# Altium PCB PCBDesign.PcbDoc (part 5 of 8) (continued)
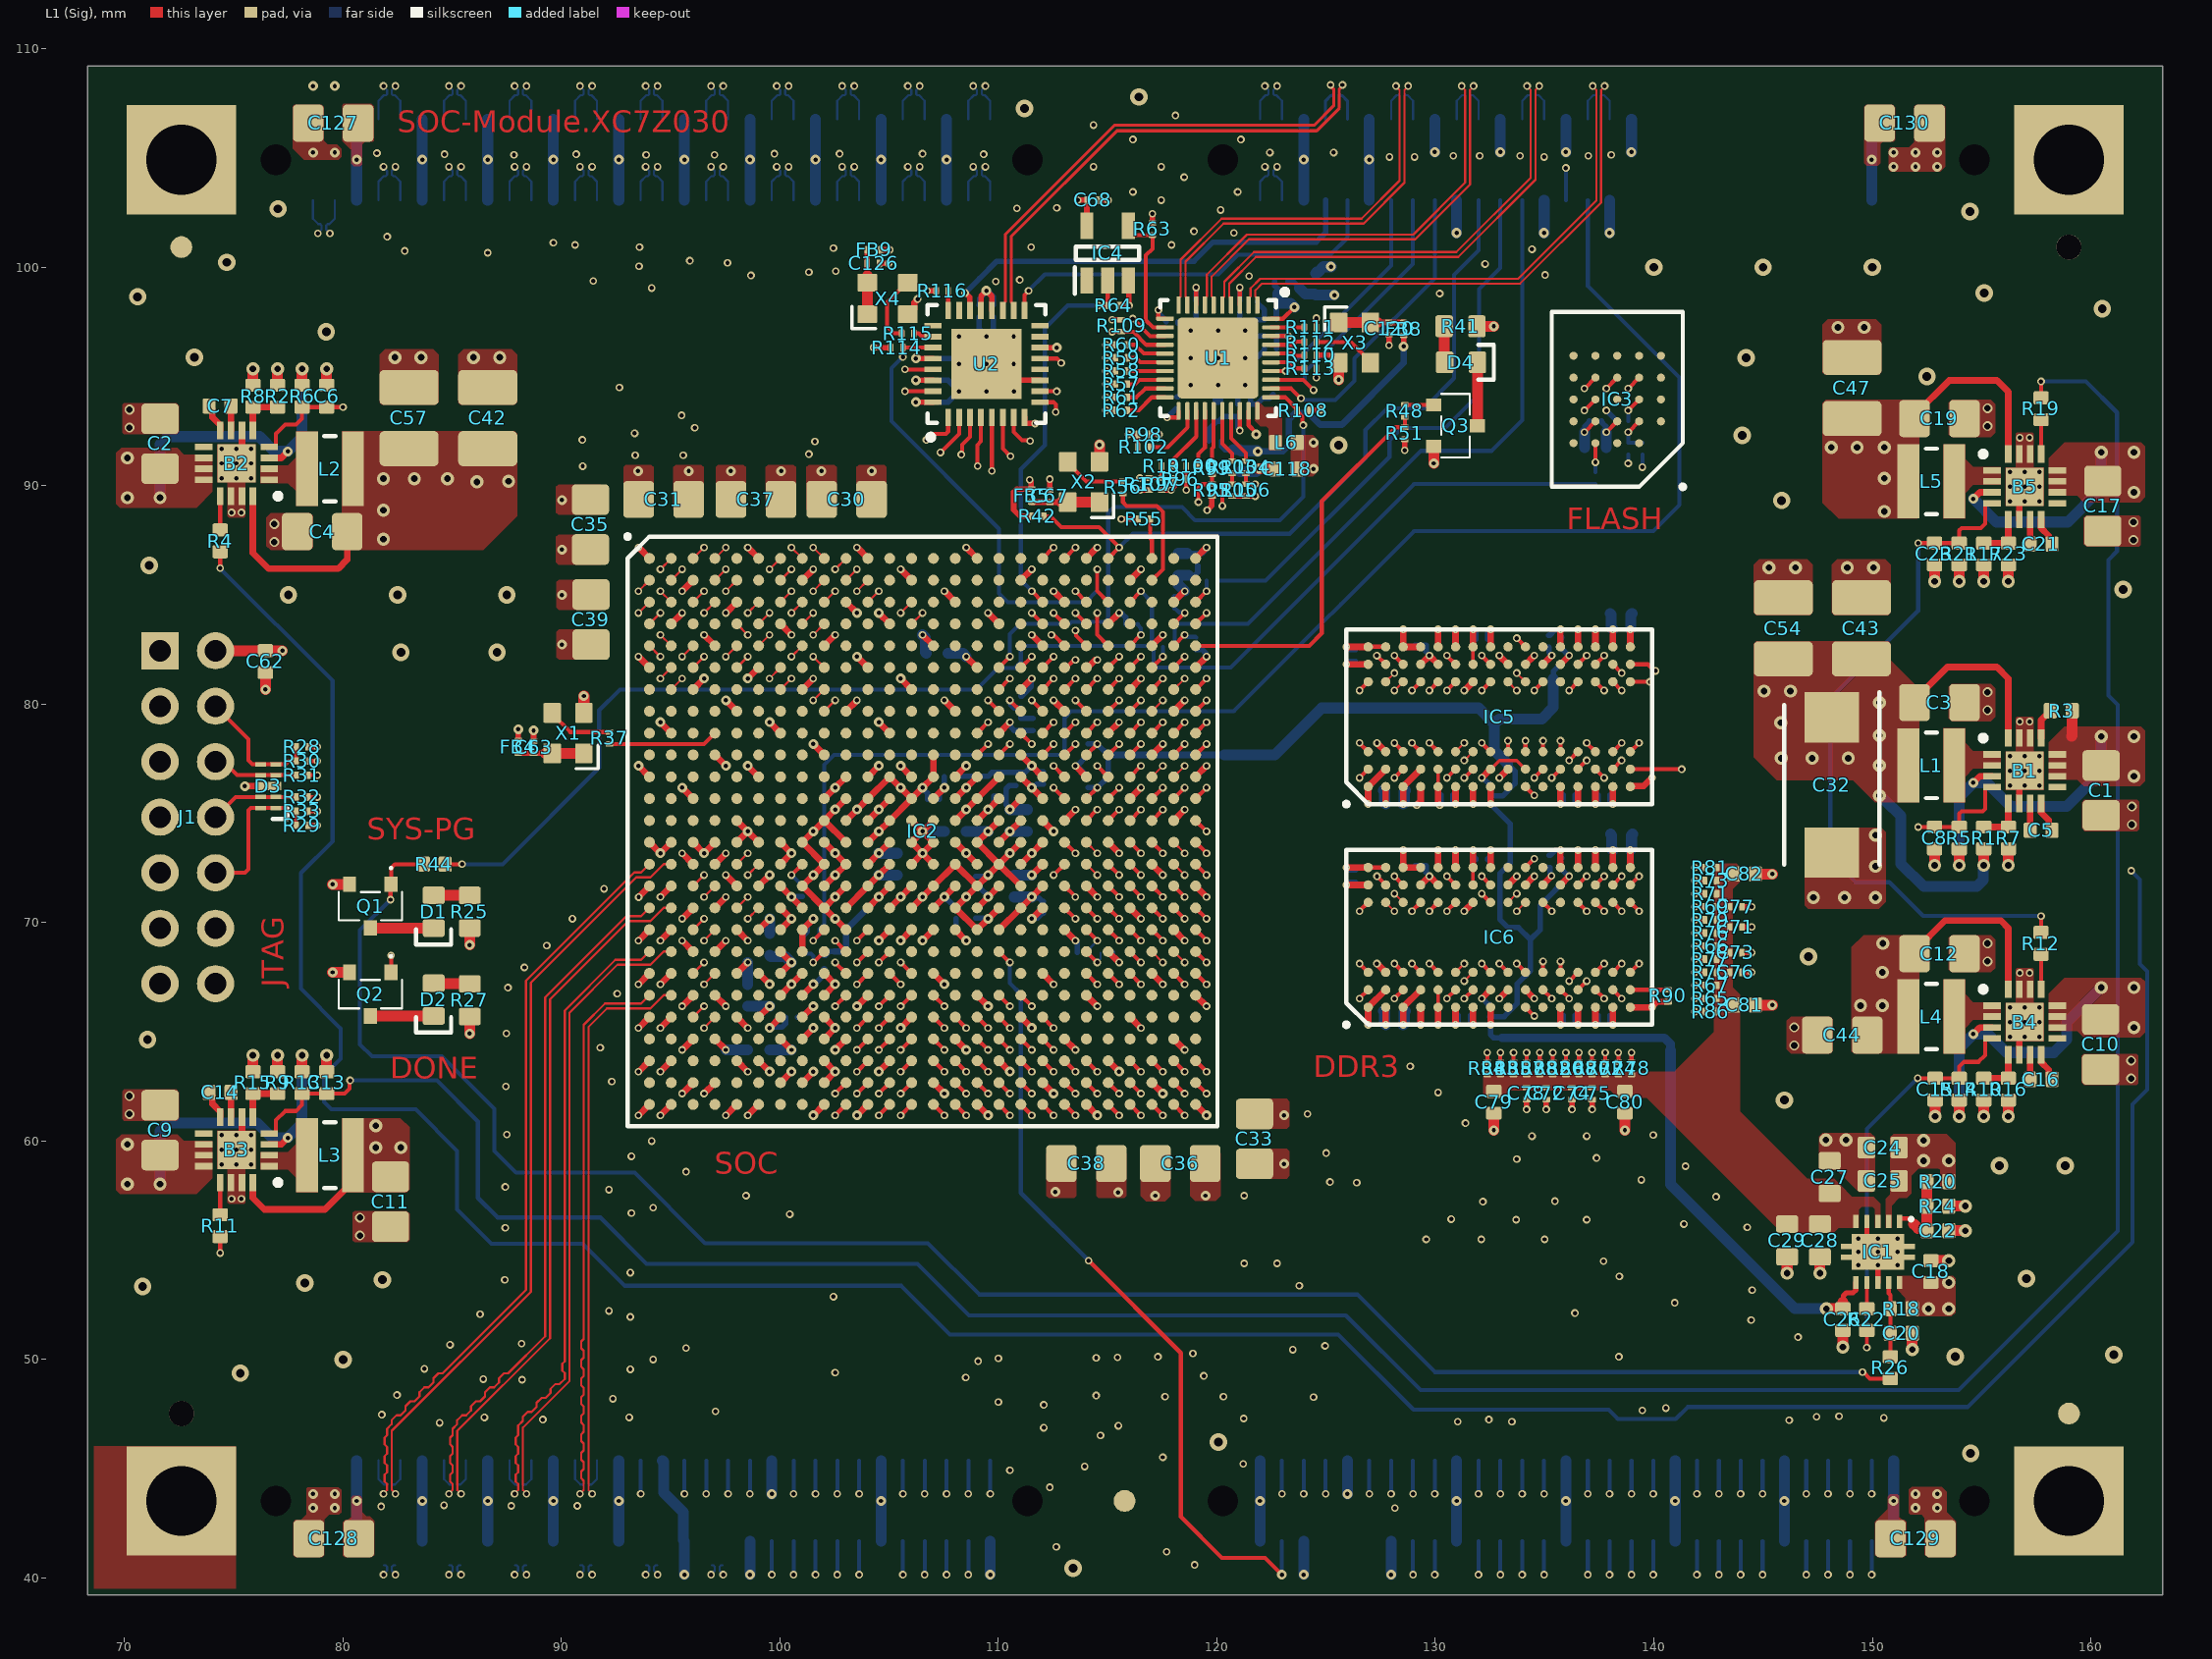
[diagram p0: L1 (Sig) view]
## Nets (pads, with @x,y where several pads share a name; then routed paths per layer and width w, separated by ;. In a path a pad name is that pad's centre, name@x,y a point inside that pad or via, vN(x,y) a via of type N, cw(c..) or ccw(c..) an arc to the next point about the centre after c; other vN are vias at no path point) (continued)
  L5 (Sig) w0.1: v1(138.523,77.425) 140.7,75.248 140.7,70.075 138.925,68.3 138.925,66.925 v1(138.525,66.525)
DDR_A8: IC2.T20 IC5.T8 IC6.T8 R73.2 | length 63.9
  L1 (Sig) w0.185: IC2.T20@113.025,71.674 v1(113.523,71.175) ; IC6.T8@138.925,71.725 v1(139.325,72.125) ; IC5.T8@138.925,81.825 139.735,81.825 140.035,81.525 v1(140.075,81.525) ; v1(141.877,71.925) R73.2@142.325,71.925
  L3 (Sig) w0.1: v1(113.523,71.175) 112.65,70.302 112.65,67.55 113.2,67 113.2,65.725 114.725,64.2 118.025,64.2 118.425,64.6 125.7,64.6 128.025,66.925 129.023,66.925 133.023,70.925 134.6,70.925 135.725,72.05 135.725,72.75 136.125,73.15 136.125,73.45 136.4,73.725 138.2,73.725 140.3,75.825 140.3,79.7 139.45,80.55 139.45,81.15 139.82,81.52 140.07,81.52 v1(140.075,81.525) ; v1(139.325,72.125) 141.125,72.125 141.325,71.925 v1(141.877,71.925)
  L7 (Sig) w0.1: v1(139.325,72.125) 140.291,72.125 140.35,72.184 140.35,80.466 140.291,80.525 139.334,80.525 139.275,80.584 139.275,81.816 139.334,81.875 139.725,81.875 v1(140.075,81.525)
DDR_A9: IC2.U20 IC5.R3 IC6.R3 R74.2 | length 67.9
  L1 (Sig) w0.185: IC2.U20@113.025,70.675 v1(113.525,70.175) ; IC6.R3@138.125,67.725 v1(138.525,68.125) ; IC5.R3@138.125,77.825 v1(138.525,78.225) ; R74.2@138.375,63.6 v1(138.375,64.05)
  L3 (Sig) w0.1: v1(113.525,70.175) 113.573,70.127 113.841,70.127 113.9,70.069 113.9,69.609 113.841,69.55 113.209,69.55 113.15,69.491 113.15,68.734 113.209,68.675 113.591,68.675 113.65,68.616 113.65,65.875 114.9,64.625 114.925,64.6 115.166,64.6 115.225,64.659 115.225,65.291 115.284,65.35 116.066,65.35 116.125,65.291 116.125,64.684 116.184,64.625 116.791,64.625 116.9,64.734 116.9,65.266 116.959,65.325 117.466,65.325 117.525,65.266 117.525,64.709 117.584,64.65 117.925,64.65 118.275,65 125.575,65 125.734,65.159 125.734,65.241 125.179,65.796 125.179,65.879 125.484,66.184 125.566,66.184 126.096,65.654 126.179,65.654 126.484,65.959 126.484,66.041 125.966,66.559 125.966,66.641 126.396,67.071 126.479,67.071 126.996,66.554 127.079,66.554 127.384,66.859 127.384,66.941 126.941,67.384 126.941,67.466 127.2,67.725 128.491,67.725 128.55,67.784 128.55,68.466 128.609,68.525 129.85,68.525 130.925,69.6 130.925,71.35 131.3,71.725 134.623,71.725 134.925,72.027 134.925,73.05 135.975,74.1 137.9,74.1 139.425,75.625 139.425,77.375 139,77.8 138.584,77.8 138.525,77.859 v1(138.525,78.225) ; v1(138.375,64.05) 138.925,64.6 138.925,67.725 v1(138.525,68.125)
  L5 (Sig) w0.1: v1(138.525,68.125) 138.573,68.173 138.573,68.423 140.35,70.2 140.35,75.1 137.654,77.796 137.654,77.879 138,78.225 v1(138.525,78.225)
DDR_A10: IC2.M22 IC5.L7 IC6.L7 R75.2 | length 72.2
  L1 (Sig) w0.185: IC2.M22@115.025,75.675 v1(115.525,76.175) ; v1(134.525,80.625) IC5.L7@134.925,81.025 ; IC6.L7@134.925,70.925 v1(135.325,70.525) ; v1(141.875,67.725) R75.2@142.325,67.725
  L3 (Sig) w0.1: v1(115.525,76.175) 115.991,76.175 116.05,76.116 116.05,75.859 116.109,75.8 117.966,75.8 118.025,75.859 118.025,76.575 118.125,76.675 118.925,76.675 119,76.75 119,77.55 119.075,77.625 119.875,77.625 120,77.5 120,77.009 120.059,76.95 120.341,76.95 120.4,76.891 120.4,76.109 120.459,76.05 121.016,76.05 121.075,76.109 121.075,76.966 121.134,77.025 121.991,77.025 122.05,77.084 122.05,77.616 121.991,77.675 121.559,77.675 121.5,77.734 121.5,78.216 121.559,78.275 122.525,78.275 122.7,78.45 122.7,78.8 122.7,78.85 122.614,78.936 121.359,78.936 121.273,79.022 121.273,79.712 121.359,79.798 122.614,79.798 122.7,79.884 122.7,79.985 122.7,80.45 122.7,80.5 122.614,80.586 122.259,80.586 122.173,80.672 122.173,81.362 122.259,81.448 122.614,81.448 122.7,81.534 122.7,81.7 122.7,81.866 122.759,81.925 123.541,81.925 123.591,81.925 123.678,82.011 123.678,83.535 123.764,83.621 124.453,83.621 124.54,83.535 124.54,82.011 124.626,81.925 124.744,81.925 125.466,81.925 125.525,81.984 125.525,83.691 125.584,83.75 126.725,83.75 126.8,83.675 126.8,82.384 126.741,82.325 126.359,82.325 126.3,82.266 126.3,81.884 126.359,81.825 126.85,81.825 126.925,81.75 126.925,81.434 126.984,81.375 127.666,81.375 127.725,81.434 127.725,81.766 127.784,81.825 128.441,81.825 128.5,81.884 128.5,82.591 128.559,82.65 129.266,82.65 129.325,82.591 129.325,82.25 128.925,81.85 128.925,81.434 128.984,81.375 129.441,81.375 129.5,81.434 129.5,81.791 129.559,81.85 129.891,81.85 129.95,81.791 129.95,81.434 130.009,81.375 130.341,81.375 130.4,81.434 130.4,81.791 130.459,81.85 130.791,81.85 130.85,81.791 130.85,81.434 130.909,81.375 131.241,81.375 131.3,81.434 131.3,82.116 131.241,82.175 130.959,82.175 130.9,82.234 130.9,82.691 130.959,82.75 131.691,82.75 131.75,82.691 131.75,81.709 131.809,81.65 132.1,81.65 132.275,81.825 133.124,81.825 133.424,82.125 133.991,82.125 134.525,81.591 v1(134.525,80.625)
  L7 (Sig) w0.1: v1(134.525,80.625) 134.525,80.425 134.525,79.957 134.584,79.898 134.896,79.898 134.946,79.848 134.946,79.448 134.896,79.398 134.105,79.398 134.055,79.348 134.055,78.948 134.105,78.898 134.466,78.898 134.525,78.84 134.525,78.79 134.525,77.059 134.584,77 134.866,77 134.925,76.941 134.925,71.95 134.925,71.492 134.866,71.434 134.776,71.434 134.726,71.384 134.726,70.984 134.776,70.934 134.866,70.934 134.925,70.875 134.925,70.825 134.925,70.584 134.984,70.525 v1(135.325,70.525) 136.375,69.475 139.175,69.475 140.925,67.725 141.1,67.725 v1(141.875,67.725)
DDR_A11: IC2.H21 IC5.R7 IC6.R7 R76.2 | length 67.8
  L1 (Sig) w0.185: v1(113.525,80.175) IC2.H21@114.025,79.675 ; IC6.R7@138.125,70.925 v1(138.525,70.525) ; IC5.R7@138.125,81.025 v1(138.525,80.625) ; v1(141.875,69.525) R76.2@142.325,69.525
  L3 (Sig) w0.1: v1(113.525,80.175) 113.525,80.625 114.025,81.125 114.025,86.616 114.084,86.675 115.806,86.675 115.856,86.675 115.917,86.736 115.917,87.633 115.978,87.693 116.464,87.693 116.525,87.633 116.525,86.588 116.586,86.527 117.072,86.527 117.133,86.588 117.133,87.633 117.194,87.693 117.68,87.693 117.741,87.633 117.741,86.48 117.802,86.419 118.288,86.419 118.349,86.48 118.349,87.633 118.41,87.693 118.896,87.693 118.957,87.633 118.957,86.48 119.018,86.419 119.504,86.419 119.565,86.48 119.565,86.616 119.626,86.677 119.702,86.677 119.752,86.677 120.65,87.575 140.725,87.575 140.875,87.425 140.875,82.675 140.475,82.275 139.7,82.275 138.975,81.55 138.975,81.075 v1(138.525,80.625) ; v1(138.525,70.525) 139,70.05 140.275,70.05 140.8,69.525 v1(141.875,69.525)
  L7 (Sig) w0.1: v1(138.525,70.525) 138.866,70.525 138.925,70.584 138.925,72.466 138.984,72.525 139.841,72.525 139.9,72.584 139.9,76.075 139.55,76.425 139.55,76.825 139.9,77.175 139.9,79.875 139.7,80.075 139.075,80.075 v1(138.525,80.625)
DDR_A12: IC2.P20 IC5.N7 IC6.N7 R77.2 | length 67.4
  L1 (Sig) w0.185: IC2.P20@113.025,73.675 v1@113.526,73.175 ; v1(136.125,80.625) IC5.N7@136.525,81.025 ; IC6.N7@136.525,70.925 v1(136.925,70.525) ; v1(141.875,68.325) R77.2@142.325,68.325
  L3 (Sig) w0.1: v1(113.527,73.175) 113.525,73.177 113.525,74.1 114.15,74.725 114.15,75.475 114.4,75.725 114.675,75.725 115,76.05 115,76.25 115.277,76.527 117.552,76.527 118,76.975 118,77.35 118.237,77.587 118.587,77.587 119.075,78.075 119.075,78.35 119.5,78.775 119.891,78.775 119.95,78.834 119.95,79.266 120.009,79.325 120.741,79.325 120.8,79.384 120.8,80.341 120.859,80.4 121.691,80.4 121.75,80.459 121.75,82.2 123.725,84.175 127.141,84.175 127.2,84.116 127.2,82.734 127.259,82.675 127.641,82.675 127.7,82.734 127.7,84.116 127.759,84.175 128.391,84.175 128.45,84.116 128.45,83.875 128.15,83.575 128.15,83.084 128.209,83.025 128.916,83.025 128.975,83.084 128.975,84.116 129.034,84.175 129.866,84.175 129.925,84.116 129.925,83.775 129.625,83.475 129.625,82.659 129.684,82.6 130.466,82.6 130.525,82.659 130.525,84.116 130.584,84.175 131.566,84.175 131.625,84.116 131.625,83.85 131.325,83.55 131.325,83.109 131.384,83.05 132.066,83.05 132.125,83.109 132.125,84.091 132.184,84.15 132.866,84.15 132.925,84.091 132.925,82.775 133.275,82.425 134.125,82.425 134.425,82.725 134.75,82.725 134.925,82.55 134.925,81.85 134.925,80.084 134.984,80.025 136.066,80.025 136.125,80.084 v1(136.125,80.625)
  L7 (Sig) w0.1: v1(136.125,80.625) 135.384,80.625 135.325,80.566 135.325,77.2 135.725,76.8 135.725,76.284 135.666,76.225 135.359,76.225 135.3,76.166 135.3,73.784 135.359,73.725 136.066,73.725 136.125,73.666 136.125,72.775 136.525,72.375 136.525,70.584 136.584,70.525 v1(136.925,70.525) 137.525,69.925 139.625,69.925 141.1,68.45 141.225,68.325 v1(141.875,68.325)
DDR_A13: IC2.J20 IC5.T3 IC6.T3 R78.2 | length 68.7
  L1 (Sig) w0.185: IC2.J20@113.025,78.675 v1(113.525,79.175) ; IC6.T3@138.925,67.725 v1(139.325,68.125) ; IC5.T3@138.925,77.825 v1(139.325,78.225) ; R78.2@138.975,63.6 v1(138.975,64.05)
  L3 (Sig) w0.1: v1(113.525,79.175) 113.25,78.9 113.084,78.9 113.025,78.959 113.025,87.7 113.25,87.925 141.1,87.925 141.25,87.775 141.25,82.4 140.75,81.9 139.75,81.9 139.2,81.35 139.2,80.125 139.875,79.45 139.875,78.284 139.816,78.225 v1(139.325,78.225) ; v1(138.975,64.05) 139.325,64.4 v1(139.325,68.125)
  L5 (Sig) w0.1: v1(139.325,68.125) 140.95,68.125 141.05,68.225 141.05,76.4 140.8,76.65 140.434,76.65 140.375,76.709 140.375,77.175 v1(139.325,78.225)
DDR_A14: IC2.R20 IC5.T7 IC6.T7 R79.2 | length 66.8
  L1 (Sig) w0.185: v1(112.525,72.175) IC2.R20@113.025,72.675 ; IC6.T7@138.925,70.925 v1(139.325,70.525) ; IC5.T7@138.925,81.025 v1(139.825,81.025) ; v1(141.875,70.125) R79.2@142.325,70.125
  L3 (Sig) w0.1: v1(112.525,72.175) 112.025,71.675 112.025,66.325 113.3,65.05 ; 113.325,65.025 114.575,63.775 118.85,63.775 119.225,64.15 127.975,64.15 128.15,64.325 128.15,65.925 128.3,66.075 128.775,66.075 132.85,70.15 134.425,70.15 135.225,70.95 136.3,70.95 136.525,71.175 136.525,72.475 136.975,72.925 139.1,72.925 140.7,74.525 140.7,80.15 v1(139.825,81.025) ; v1(139.325,70.525) 140.65,70.525 141.05,70.125 v1(141.875,70.125)
  L7 (Sig) w0.1: v1(139.325,70.525) 140.6,70.525 140.875,70.8 140.875,80.55 140.4,81.025 v1(139.825,81.025)
DDR_BA0: IC2.U22 IC5.M2 IC6.M2 R80.2 | length 64.7
  L1 (Sig) w0.185: IC2.U22@115.025,70.675 v1(115.525,70.175) ; v1(135.325,76.625) IC5.M2@135.725,77.025 ; IC6.M2@135.725,66.925 v1(136.125,66.525) ; R80.2@135.975,63.6 v1(135.975,64.05)
  L3 (Sig) w0.1: v1(115.525,70.175) 116.15,70.8 116.15,71.55 116.275,71.675 116.966,71.675 117.025,71.616 117.025,71.025 117.375,70.675 117.966,70.675 118.025,70.616 118.025,69.924 118.274,69.675 118.966,69.675 119.025,69.616 119.025,68.882 119.084,68.823 120.291,68.823 120.35,68.764 120.35,68.534 120.409,68.475 120.916,68.475 120.975,68.534 120.975,68.891 121.034,68.95 121.925,68.95 122.371,69.396 122.371,69.479 121.779,70.071 121.779,70.154 124.475,72.85 124.791,72.85 124.85,72.909 124.85,73.3 125.05,73.5 125.05,74.341 125.109,74.4 125.65,74.4 125.725,74.475 125.725,76.941 125.784,77 126.841,77 126.9,77.059 126.9,77.616 126.959,77.675 129.116,77.675 129.175,77.616 129.175,77.259 129.234,77.2 129.741,77.2 129.8,77.259 129.8,77.591 129.859,77.65 130.541,77.65 130.6,77.709 130.6,78.541 130.541,78.6 126.084,78.6 126.025,78.541 126.025,78.159 125.966,78.1 125.659,78.1 125.6,78.159 125.6,78.941 125.659,79 130.891,79 130.95,78.941 130.95,78.659 131.009,78.6 132.491,78.6 132.55,78.659 132.55,78.966 132.609,79.025 135.266,79.025 135.325,78.966 v1(135.325,76.625) ; v1(135.975,64.05) 135.975,64.118 136.125,64.268 v1(136.125,66.525)
  L5 (Sig) w0.1: v1(135.325,76.625) 136.15,75.8 136.15,74.25 136.025,74.125 136.025,73.675 136.15,73.55 136.15,72.684 136.209,72.625 136.466,72.625 136.525,72.566 136.525,71.784 136.466,71.725 136.209,71.725 136.15,71.666 136.15,69.809 136.091,69.75 135.384,69.75 135.325,69.691 135.325,66.984 135.384,66.925 135.666,66.925 135.725,66.866 135.725,66.584 135.784,66.525 v1(136.125,66.525)
DDR_BA1: IC2.T22 IC5.N8 IC6.N8 R81.2 | length 68.4
  L1 (Sig) w0.185: IC2.T22@115.025,71.675 v1(115.525,71.175) ; IC6.N8@136.525,71.725 v1(136.925,72.125) ; IC5.N8@136.525,81.825 v1(136.925,82.225) ; v1(141.877,72.525) R81.2@142.325,72.525
  L3 (Sig) w0.1: v1(115.525,71.175) 115.275,71.425 115,71.425 114.925,71.35 114.925,70.684 114.866,70.625 114.209,70.625 114.15,70.684 114.15,71.5 113.75,71.9 113.234,71.9 113.175,71.959 113.175,72.291 113.234,72.35 113.741,72.35 113.8,72.409 113.8,72.741 113.741,72.8 113.209,72.8 113.15,72.859 113.15,74.3 113.927,75.077 113.927,76.152 114.35,76.575 114.825,76.575 115.075,76.825 115.872,76.825 115.874,76.823 116.748,76.823 117.05,77.125 117.05,77.35 117.375,77.675 117.725,77.675 118,77.95 118,78.25 118.425,78.675 118.75,78.675 118.975,78.9 118.975,79.325 119.325,79.675 119.891,79.675 119.95,79.734 119.95,80.166 120.009,80.225 120.341,80.225 120.4,80.284 120.4,80.741 120.459,80.8 121.266,80.8 121.325,80.859 121.325,82.4 123.525,84.6 133.291,84.6 133.35,84.541 133.35,82.75 133.45,82.65 133.925,82.65 134.575,83.3 134.575,83.516 134.516,83.575 134.134,83.575 134.075,83.634 134.075,84.216 134.134,84.275 135.091,84.275 135.15,84.216 135.15,83.975 135,83.825 135,82.9 135.25,82.65 135.525,82.65 135.725,82.45 135.725,81.859 135.666,81.8 135.35,81.8 135.275,81.725 135.275,80.509 135.334,80.45 135.691,80.45 135.75,80.509 135.75,80.991 135.809,81.05 136.266,81.05 136.325,81.109 136.325,81.375 136.55,81.6 136.55,82.166 136.609,82.225 v1(136.925,82.225) ; v1(136.925,72.125) 137.325,72.525 v1(141.877,72.525)
  L7 (Sig) w0.1: v1(136.925,72.125) 136.925,74.041 136.866,74.1 136.209,74.1 136.15,74.159 136.15,76.85 135.725,77.275 135.725,77.741 135.784,77.8 136.466,77.8 136.525,77.859 136.525,81.025 136.525,81.075 136.464,81.136 136.237,81.136 136.176,81.197 136.176,81.683 136.237,81.744 136.464,81.744 136.525,81.805 136.525,82.125 136.525,82.166 136.584,82.225 v1(136.925,82.225)
DDR_BA2: IC2.R22 IC5.M3 IC6.M3 R82.2 | length 68.9
  L1 (Sig) w0.185: IC2.R22@115.025,72.675 v1(115.525,72.175) ; R82.2@135.375,63.6 v1(135.375,64.05) ; IC6.M3@135.725,67.725 v1(135.725,68.225) ; IC5.M3@135.725,77.825 v1(135.725,78.325)
  L3 (Sig) w0.1: v1(115.525,72.175) 115.525,72.184 115.35,72.359 115.35,72.616 115.409,72.675 115.55,72.675 115.875,73 116.141,73 116.2,72.941 116.2,72.609 116.259,72.55 117.05,72.55 117.125,72.625 117.125,72.741 117.184,72.8 119.891,72.8 119.95,72.741 119.95,71.734 119.891,71.675 118.527,71.675 118.08,72.122 117.997,72.122 117.604,71.729 117.604,71.646 117.925,71.325 117.925,71.15 118.3,70.775 119.041,70.775 119.1,70.716 119.1,70.05 119.475,69.675 119.891,69.675 119.95,69.616 119.95,69.334 120.009,69.275 121.575,69.275 121.675,69.375 121.675,69.65 121.475,69.85 120.359,69.85 120.3,69.909 120.3,70.191 120.241,70.25 120.009,70.25 119.95,70.309 119.95,71.166 120.009,71.225 120.791,71.225 120.85,71.166 120.85,70.384 120.909,70.325 121.275,70.325 124.175,73.225 124.375,73.225 124.625,73.475 124.625,74.716 124.684,74.775 125.316,74.775 125.375,74.834 125.375,75.191 125.316,75.25 124.984,75.25 124.925,75.309 124.925,75.666 124.984,75.725 125.316,75.725 125.375,75.784 125.375,76.141 125.316,76.2 124.984,76.2 124.925,76.259 124.925,76.616 124.984,76.675 125.291,76.675 125.35,76.734 125.35,77.241 125.409,77.3 126.516,77.3 126.575,77.359 126.575,77.741 126.516,77.8 125.259,77.8 125.2,77.859 125.2,79.191 125.259,79.25 131.191,79.25 131.25,79.191 131.25,78.959 131.309,78.9 132.166,78.9 132.225,78.959 132.225,79.341 132.284,79.4 133.291,79.4 133.35,79.459 133.35,80.141 133.409,80.2 133.741,80.2 133.8,80.141 133.8,79.45 133.9,79.35 135.666,79.35 135.725,79.291 v1(135.725,78.325) ; v1(135.375,64.05) 135.375,65.925 135.725,66.275 135.725,66.925 v1(135.725,68.225)
  L5 (Sig) w0.1: v1(135.725,68.225) 135.725,69.291 135.784,69.35 136.25,69.35 136.525,69.625 136.525,71.125 137.325,71.925 137.325,72.516 137.266,72.575 136.984,72.575 136.925,72.634 136.925,75.6 135.725,76.8 135.725,77 135.725,77.05 135.666,77.109 135.271,77.109 135.221,77.159 135.221,77.559 135.271,77.609 135.666,77.609 135.725,77.667 135.725,78.05 v1(135.725,78.325)
DDR_CAS#: IC2.V23 IC5.K3 IC6.K3 R83.2 | length 67.2
  L1 (Sig) w0.185: IC2.V23@116.025,69.675 v1(116.525,69.175) ; R83.2@132.975,63.6 v1(132.975,64.05) ; v1(133.725,68.125) IC6.K3@134.125,67.725 ; IC5.K3@134.125,77.825 v1(134.125,78.325)
  L3 (Sig) w0.1: v1(116.525,69.175) 116.525,68.809 116.584,68.75 116.925,68.75 117.025,68.65 117.025,67.609 117.084,67.55 117.65,67.55 117.875,67.325 118.15,67.325 118.375,67.55 118.675,67.55 118.9,67.325 119.175,67.325 119.4,67.55 119.966,67.55 120.025,67.491 120.025,66.934 120.084,66.875 123,66.875 125.775,69.65 126.85,69.65 126.925,69.725 126.925,70.841 126.866,70.9 126.159,70.9 126.1,70.841 126.1,70.225 126.025,70.15 125.675,70.15 122.804,67.279 122.084,67.279 122.025,67.337 122.025,67.766 122.084,67.825 122.55,67.825 126.109,71.384 126.566,71.384 126.625,71.442 126.625,71.766 126.566,71.825 126.334,71.825 126.275,71.884 126.275,72.231 126.334,72.289 126.566,72.289 126.625,72.348 126.625,72.672 126.566,72.731 126.284,72.731 126.225,72.789 126.225,73.137 126.284,73.195 126.72,73.195 126.85,73.325 127.241,73.325 127.3,73.384 127.3,74.291 127.359,74.35 128.441,74.35 128.5,74.409 128.5,74.916 128.559,74.975 132.818,74.975 132.877,75.034 132.877,75.848 132.875,75.85 132.875,76.191 132.934,76.25 133.466,76.25 133.525,76.191 133.525,75.034 133.584,74.975 134.066,74.975 134.125,75.034 134.125,76.941 134.184,77 134.916,77 134.975,77.059 134.975,77.866 134.916,77.925 134.584,77.925 134.525,77.984 134.525,78.266 134.466,78.325 v1(134.125,78.325) ; v1(132.975,64.05) 132.975,65.925 133.325,66.275 133.325,67.725 v1(133.725,68.125)
  L5 (Sig) w0.1: v1(133.725,68.125) 133.384,68.125 133.325,68.184 133.325,68.253 133.325,68.803 133.384,68.862 133.621,68.862 133.671,68.912 133.671,69.312 133.621,69.362 133.384,69.362 133.325,69.421 133.325,69.473 133.325,76.991 133.266,77.05 132.909,77.05 132.85,77.109 132.85,77.491 132.909,77.55 133.266,77.55 133.325,77.609 133.325,77.766 133.384,77.825 134.066,77.825 134.125,77.884 v1(134.125,78.325)
DDR_CK_E: IC2.U21 IC5.K9 IC6.K9 R86.2 | length 75.9
  L1 (Sig) w0.185: IC2.U21@114.025,70.675 v1(114.525,70.175) ; v1(133.725,83.025) IC5.K9@134.125,82.625 ; IC6.K9@134.125,72.525 v1(134.525,72.925) ; v1(141.877,65.925) R86.2@142.325,65.925
  L3 (Sig) w0.1: v1(114.525,70.175) 114.225,70.175 113.975,70.425 113.825,70.425 113.65,70.6 113.65,70.75 113.875,70.975 113.875,71.321 113.723,71.473 113.621,71.575 113.184,71.575 113.125,71.516 113.125,71.2 112.875,70.95 112.359,70.95 112.3,71.009 112.3,71.45 112.877,72.027 112.877,72.448 112.75,72.575 112.4,72.575 112.104,72.279 112.021,72.279 111.666,72.634 111.666,72.716 112,73.05 112.766,73.05 112.825,73.109 112.825,73.591 112.766,73.65 111.834,73.65 111.775,73.709 111.775,74.075 112.471,74.771 112.554,74.771 112.809,74.516 112.891,74.516 113.234,74.859 113.234,74.941 112.979,75.196 112.979,75.279 113.575,75.875 113.575,76.3 114.098,76.823 114.671,76.823 114.998,77.15 115.95,77.15 116.5,77.7 116.8,77.7 116.95,77.85 116.95,78.2 117.425,78.675 117.7,78.675 117.975,78.95 117.975,79.2 118.475,79.7 118.85,79.7 119,79.85 119,80.3 119.4,80.7 119.891,80.7 119.95,80.759 119.95,81.141 120.009,81.2 120.841,81.2 120.9,81.259 120.9,82.525 123.375,85 136.891,85 136.95,84.941 136.95,84.359 136.891,84.3 136.509,84.3 136.45,84.359 136.45,84.541 136.391,84.6 133.784,84.6 133.725,84.541 v1(133.725,83.025)
  L7 (Sig) w0.1: v1(133.725,83.025) 133.725,81.909 133.784,81.85 134.066,81.85 134.125,81.791 134.125,80.284 134.066,80.225 133.784,80.225 133.725,80.166 133.725,77.959 133.784,77.9 134.066,77.9 134.125,77.841 134.125,73.959 134.125,73.742 134.066,73.684 133.525,73.684 133.475,73.634 133.475,73.234 133.525,73.184 134.066,73.184 134.125,73.125 134.125,73.075 134.125,72.984 134.184,72.925 v1(134.525,72.925) 134.502,72.902 134.502,72.6 134.173,72.271 134.173,70.777 135.975,68.975 139.15,68.975 140.9,67.225 140.9,66.525 141.1,66.325 141.5,65.925 v1(141.877,65.925)
DDR_CK_N: IC2.P21 IC5.K7 IC6.K7 R89.1 | length 64.4
  L1 (Sig) w0.1: IC2.P21@114.025,73.675 v1(114.525,73.175) ; v1(133.725,70.525) IC6.K7@134.125,70.925 ; v1(133.725,81.425) IC5.K7@134.125,81.025
  L3 (Sig) w0.09: v1(114.525,73.175) 114.525,72.848 114.578,72.795 114.8,72.795 114.888,72.883 114.888,74.407 115.081,74.6 115.597,74.6 115.79,74.407 115.79,73.843 115.843,73.79 116.297,73.79 116.35,73.843 116.35,74.622 116.543,74.815 117.197,74.815 117.39,74.622 117.39,73.818 117.443,73.765 117.899,73.765 117.952,73.818 117.952,74.622 118.145,74.815 118.798,74.815 118.991,74.622 118.991,73.818 119.044,73.765 119.822,73.765 119.875,73.818 119.875,75.007 120.068,75.2 120.607,75.2 120.8,75.007 120.8,71.868 120.853,71.815 121.182,71.815 121.235,71.868 121.235,75.007 121.428,75.2 121.982,75.2 122.175,75.007 122.175,72.593 122.228,72.54 122.582,72.54 122.635,72.593 122.635,74.982 122.828,75.175 123.397,75.175 123.59,74.982 123.59,73.843 123.643,73.79 123.997,73.79 124.05,73.843 124.05,76.893 124.6,77.443 124.6,79.761 124.864,80.025 124.964,80.025 125.079,80.025 125.139,80.085 125.139,80.231 125.339,80.431 126.017,80.431 126.217,80.231 126.217,79.819 126.277,79.76 126.755,79.76 126.815,79.819 126.815,80.231 127.015,80.431 127.693,80.431 127.893,80.231 127.893,79.819 127.953,79.76 128.431,79.76 128.491,79.819 128.491,80.078 128.691,80.278 129.369,80.278 129.569,80.078 129.569,79.819 129.629,79.76 130.107,79.76 130.167,79.819 130.167,80.078 130.367,80.278 131.045,80.278 131.245,80.078 131.245,79.819 131.305,79.76 131.783,79.76 131.843,79.819 131.843,79.825 132.043,80.025 132.707,80.025 132.76,80.078 132.76,80.476 132.65,80.586 132.65,80.842 132.953,81.145 133.641,81.145 133.694,81.198 133.694,81.394 v1(133.725,81.425)
  L7 (Sig) w0.09: v1(133.725,70.525) 133.725,70.752 133.672,70.805 133.251,70.805 132.875,71.181 132.875,74.25 132.875,74.5 132.875,75.9 133.275,76.3 133.275,76.8 132.575,77.5 132.575,80.425 133.295,81.145 133.647,81.145 133.7,81.198 133.7,81.4 v1(133.725,81.425)
DDR_CK_P: IC2.R21 IC5.J7 IC6.J7 R89.2 | length 64.3
  L1 (Sig) w0.1: IC2.R21@114.025,72.675 v1(114.525,72.175) ; IC6.J7@133.325,70.925 v1(133.725,71.325) ; IC5.J7@133.325,81.025 v1(133.725,80.625)
  L3 (Sig) w0.09: v1(114.525,72.175) 114.525,72.502 114.578,72.555 114.899,72.555 115.128,72.784 115.128,74.307 115.181,74.36 115.497,74.36 115.55,74.307 115.55,73.743 115.743,73.55 116.397,73.55 116.59,73.743 116.59,74.522 116.643,74.575 117.097,74.575 117.15,74.522 117.15,73.718 117.343,73.525 117.998,73.525 118.192,73.718 118.192,74.522 118.244,74.575 118.699,74.575 118.751,74.522 118.751,73.718 118.945,73.525 119.922,73.525 120.115,73.718 120.115,74.907 120.168,74.96 120.507,74.96 120.56,74.907 120.56,71.768 120.753,71.575 121.282,71.575 121.475,71.768 121.475,74.907 121.528,74.96 121.882,74.96 121.935,74.907 121.935,72.493 122.128,72.3 122.682,72.3 122.875,72.493 122.875,74.882 122.928,74.935 123.297,74.935 123.35,74.882 123.35,73.743 123.543,73.55 124.097,73.55 124.29,73.743 124.29,76.793 124.84,77.343 124.84,79.661 124.964,79.785 ; 125.063,79.785 124.964,79.785 ; v1(133.725,80.625) 133.694,80.656 133.694,80.852 133.641,80.905 133.053,80.905 133,80.852 133,79.978 132.807,79.785 132.781,79.785 132.143,79.785 132.083,79.725 132.083,79.72 131.883,79.52 131.205,79.52 131.005,79.72 131.005,79.978 130.945,80.038 130.467,80.038 130.407,79.978 130.407,79.72 130.207,79.52 129.529,79.52 129.329,79.72 129.329,79.978 129.269,80.038 128.791,80.038 128.731,79.978 128.731,79.72 128.531,79.52 127.853,79.52 127.653,79.72 127.653,80.131 127.593,80.191 127.115,80.191 127.055,80.131 127.055,79.72 126.855,79.52 126.177,79.52 125.977,79.72 125.977,80.131 125.917,80.191 125.439,80.191 125.379,80.131 125.379,79.985 125.179,79.785 124.964,79.785
  L7 (Sig) w0.09: v1(133.725,71.325) 133.725,71.098 133.672,71.045 133.35,71.045 133.243,71.152 133.115,71.28 133.115,71.535 133.168,71.587 133.318,71.587 133.357,71.626 133.357,71.938 133.318,71.977 133.154,71.977 133.115,72.016 133.115,72.328 133.154,72.367 133.318,72.367 133.357,72.406 133.357,72.718 133.318,72.757 133.168,72.757 133.115,72.81 133.115,73.007 133.115,75.801 133.515,76.201 133.515,76.899 132.815,77.599 132.815,80.326 133.394,80.905 133.647,80.905 133.7,80.852 133.7,80.65 v1(133.725,80.625)
DDR_CS#: IC2.Y21 IC5.L2 IC6.L2 R88.2 | length 63.3
  L1 (Sig) w0.185: IC2.Y21@114.025,67.675 v1(114.525,67.175) ; v1(134.525,76.625) IC5.L2@134.925,77.025 ; R88.2@134.775,63.6 v1(134.775,64.05) ; IC6.L2@134.925,66.925 v1(135.325,66.525)
  L3 (Sig) w0.1: v1(114.525,67.175) 114.525,66.659 114.584,66.6 114.891,66.6 114.95,66.541 114.95,66.234 115.009,66.175 118.191,66.175 118.25,66.116 118.25,65.859 118.309,65.8 124.366,65.8 124.425,65.859 124.425,66.15 124.684,66.409 124.684,66.491 124.291,66.884 124.291,66.966 124.509,67.184 124.591,67.184 124.984,66.791 125.066,66.791 125.284,67.009 125.284,67.091 124.891,67.484 124.891,67.566 125.109,67.784 125.191,67.784 125.584,67.391 125.666,67.391 125.884,67.609 125.884,67.691 125.491,68.084 125.491,68.166 126.25,68.925 127.6,68.925 128.025,69.35 129.65,69.35 129.775,69.475 129.775,70.066 129.716,70.125 129.409,70.125 129.35,70.184 129.35,70.866 129.409,70.925 129.691,70.925 129.75,70.984 129.75,71.714 129.691,71.773 129.409,71.773 129.35,71.832 129.35,72.841 129.409,72.9 133.45,72.9 133.875,73.325 133.875,73.641 133.816,73.7 129.809,73.7 129.75,73.641 129.75,73.459 129.691,73.4 129.334,73.4 129.275,73.459 129.275,74.091 129.334,74.15 134.05,74.15 134.334,73.866 134.416,73.866 135.35,74.8 135.35,76.166 135.291,76.225 134.55,76.225 134.491,76.284 134.491,76.591 v1(134.525,76.625) ; v1(134.775,64.05) 134.775,65.275 134.925,65.425 134.925,66.125 v1(135.325,66.525)
  L5 (Sig) w0.1: v1(134.525,76.625) 134.53,76.62 134.53,76.37 134.925,75.975 134.925,74.884 134.866,74.825 134.534,74.825 134.475,74.766 134.475,74.384 134.534,74.325 134.866,74.325 134.925,74.266 134.925,73.884 134.866,73.825 134.584,73.825 134.525,73.766 134.525,73.384 134.584,73.325 134.866,73.325 134.925,73.266 134.925,70.584 134.866,70.525 134.609,70.525 134.55,70.466 134.55,66.959 134.609,66.9 134.841,66.9 134.9,66.841 134.9,66.584 134.959,66.525 v1(135.325,66.525)
DDR_D0: IC2.J26 IC5.A3 | length 20.9
  L1 (Sig) w0.185: IC2.J26@119.025,78.675 v1(119.525,79.175) ; v1(126.525,78.225) IC5.A3@126.925,77.825
  L7 (Sig) w0.1: v1(119.525,79.175) 121.291,79.175 121.35,79.116 121.35,77.259 121.291,77.2 120.809,77.2 120.75,77.141 120.75,76.684 120.809,76.625 121.691,76.625 121.75,76.684 121.75,77.391 121.809,77.45 122.091,77.45 122.15,77.391 122.15,76.684 122.209,76.625 122.491,76.625 122.55,76.684 122.55,77.391 122.609,77.45 122.891,77.45 122.95,77.391 122.95,76.684 123.009,76.625 123.291,76.625 123.35,76.684 123.35,77.391 123.409,77.45 123.691,77.45 123.75,77.391 123.75,76.684 123.809,76.625 124.091,76.625 124.15,76.684 124.15,77.391 124.209,77.45 124.491,77.45 124.55,77.391 124.55,76.684 124.609,76.625 125.666,76.625 125.725,76.684 125.725,77.791 125.784,77.85 125.991,77.85 126.05,77.909 126.05,78.916 126.109,78.975 126.466,78.975 126.525,78.916 v1(126.525,78.225)
DDR_D1: IC2.F25 IC5.C8 | length 17.9
  L1 (Sig) w0.185: IC2.F25@118.025,81.675 v1(118.525,82.175) ; v1(128.125,82.225) IC5.C8@128.525,81.825
  L7 (Sig) w0.1: v1(118.525,82.175) 118.8,82.175 119.384,82.759 119.466,82.759 119.746,82.479 119.829,82.479 120.146,82.796 120.146,82.879 119.866,83.159 119.866,83.241 120.184,83.559 120.266,83.559 120.546,83.279 120.629,83.279 120.946,83.596 120.946,83.679 120.766,83.859 120.766,83.941 120.925,84.1 121.516,84.1 121.575,84.041 121.575,83.559 121.634,83.5 122.016,83.5 122.075,83.559 122.075,84.041 122.134,84.1 122.516,84.1 122.575,84.041 122.575,83.559 122.634,83.5 123.016,83.5 123.075,83.559 123.075,84.041 123.134,84.1 123.516,84.1 123.575,84.041 123.575,83.734 123.634,83.675 124.016,83.675 124.075,83.734 124.075,84.041 124.134,84.1 128.066,84.1 128.125,84.041 v1(128.125,82.225)